# Altium PCB Brake Module B2 Sample.PcbDoc (part 2 of 2)
Units mm, origin at the board's own origin, x right, y up, seen from the top; angles counter-clockwise.
Board outline 81.55 x 86.36 mm, 4 copper layers (Top Layer, Int1 (PWR), Int2 (GND), Bottom Layer), stack 1.369 mm thick; 127 components, 92 nets, 480 pads, 346 vias.
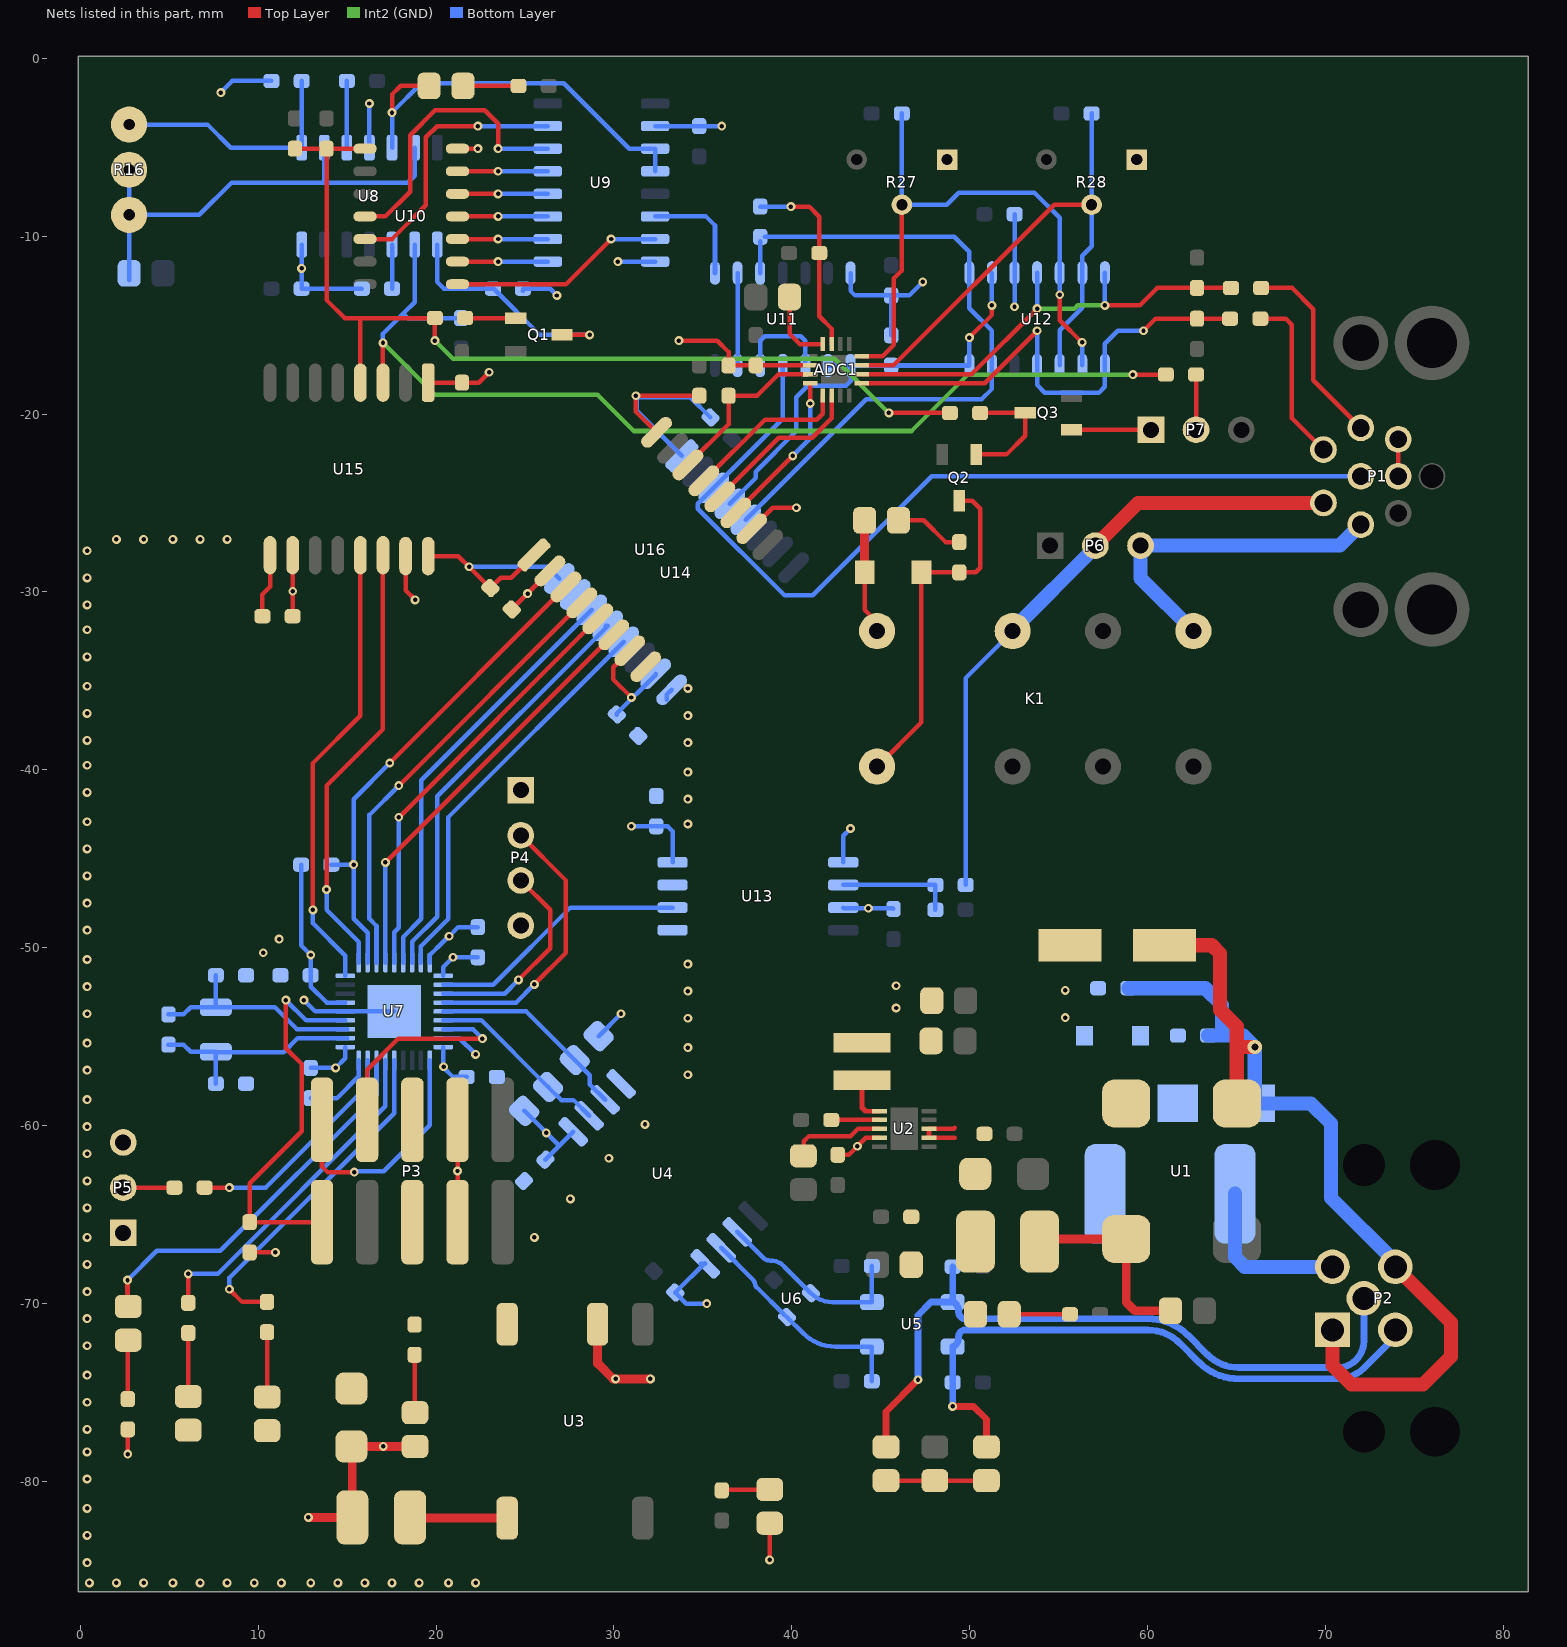
[diagram p4: the nets of this part, all layers, seen from the top]

## Via types
v1: diameter 0.5, hole 0.25, Top Layer to Bottom Layer, 345 vias
v2: diameter 0.8, hole 0.4, Top Layer to Bottom Layer, 1 vias

## Nets (pads, with @x,y where several pads share a name; then routed paths per layer and width w, separated by ;. In a path a pad name is that pad's centre, name@x,y a point inside that pad or via, vN(x,y) a via of type N, cw(c..) or ccw(c..) an arc to the next point about the centre after c; other vN are vias at no path point) (continued)
0V_(ISO): C14.1 C16.1 C22.1 C23.1 C24.1 C25.1 C26.1 C27.1 C43.1 C44.1 C46.1 C49.1 D7.K D8.K P3.5 P3.6 P4.1 P5.3 R3.1 U3.4 U4.4 U7.5 U7.18 U7.26 U7.36 U7.37 U13.5 U13.7 U14.9 U14.15 U15.9 U15.15 U16.2 U16.8 | length 25.5
  Top Layer w0.254: C44.1@10.238,-31.369 10.238,-30.148 10.668,-29.718 U15.9@10.668,-27.94 ; U15.15@18.288,-27.99 18.288,-29.913 v1(18.825,-30.45) ; C49.1@24.257,-30.988 24.257,-30.979 26.404,-28.832 U16.2@26.404,-28.823
  Bottom Layer w0.254: v1(12.573,-52.959) 13.208,-53.594 U7.5@14.903,-53.594 U7.37@17.653,-53.594 ; C23.1@12.954,-58.469 14.429,-58.469 15.653,-57.245 U7.36@15.653,-56.344 ; U7.18@19.653,-50.844 19.653,-50.423 20.052,-50.024 ; 20.07,-50.006 20.711,-49.365 v1(20.733,-49.365) ; U7.26@20.403,-55.094 21.312,-55.094 v1(22.225,-56.007) ; v1@20.701,-49.403 21.258,-48.846 C22.1@22.352,-48.846 ; U14.9@32.977,-36.074 32.977,-35.775 U14.9@33.25,-35.503
  other v1: 0.508,-85.725 2.032,-85.725 3.556,-85.725 5.207,-85.725 6.731,-85.725 8.255,-85.725 9.779,-85.725 11.303,-85.725 12.954,-85.725 14.478,-85.725 16.002,-85.725 17.526,-85.725 19.05,-85.725 20.701,-85.725 22.225,-85.725 0.381,-84.582 0.381,-83.058 0.381,-81.534 0.381,-79.883 0.381,-78.359 0.381,-77.089 0.381,-75.565 0.381,-74.041 0.381,-72.39 0.381,-70.866 0.381,-69.342 0.381,-67.818 0.381,-66.294 25.527,-66.294 0.381,-64.643 27.559,-64.135 0.381,-63.119 29.718,-61.849 0.381,-61.595 0.381,-60.071 31.75,-59.944 0.381,-58.547 34.163,-57.15 0.381,-56.896 34.163,-55.626 0.381,-55.372 34.163,-53.975 0.381,-53.721 34.163,-52.451 0.381,-52.197 34.163,-50.927 0.381,-50.673 10.287,-50.292 11.176,-49.53 0.381,-49.022 0.381,-47.498 0.381,-45.974 0.381,-44.45 34.163,-43.053 0.381,-42.926 34.163,-41.656 0.381,-41.275 34.163,-40.132 0.381,-39.751 34.163,-38.481 0.381,-38.354 34.163,-36.957 0.381,-36.83 34.163,-35.433 0.381,-35.306 0.381,-33.655 0.381,-32.131 0.381,-30.734 25.15,-30.095 0.381,-29.21 0.381,-27.686 2.032,-27.051 3.556,-27.051 5.207,-27.051 6.731,-27.051 8.255,-27.051
3V3: C14.2 C16.2 C22.2 C23.2 C24.2 C25.2 C43.2 C44.2 C46.2 C49.2 D5.A L3.1 P3.7 P3.8 P4.4 P5.1 R6.2 R9.2 R10.2 R11.2 R34.2 U4.1 U7.1 U7.6 U7.19 U7.27 U13.8 U14.10 U14.16 U15.10 U15.16 U16.1 U16.7 | length 70
  Top Layer w0.254: v1(2.667,-78.486) R6.2@2.667,-77.089 ; R11.2@9.525,-67.14 v1(10.965,-67.14) ; C44.2@11.938,-31.369 U15.10@11.938,-27.939 ; C14.2@15.242,-78.051 C14.2@15.24,-78.053 C14.2@15.292,-78.105 ; U15.16@19.558,-27.99 21.259,-27.99 v1(21.856,-28.587) C49.2@23.055,-29.786 23.631,-29.21 24.221,-29.21 U16.1@25.506,-27.925 ; P3.7@21.209,-65.44 v1(21.209,-62.565) P3.8@21.209,-59.69 ; U16.7@30.895,-33.313 29.972,-34.235 29.972,-34.925 v1(30.988,-35.941)
  Top Layer w0.5: v1(12.827,-82.042) L3.1@15.292,-82.042 C14.2@15.292,-78.105 ; C14.2@15.242,-78.051 v1(17.032,-78.051) D5.A@18.822,-78.051
  Bottom Layer w0.254: R34.2@12.417,-45.339 12.417,-49.882 v1(12.954,-50.419) 12.954,-52.197 13.851,-53.094 U7.6@14.903,-53.094 ; C23.2@12.954,-56.769 v1(14.351,-56.769) 14.903,-56.217 U7.1@14.903,-55.594 ; U7.27@20.403,-55.594 20.403,-56.725 20.955,-57.277 C25.2@21.717,-57.277 ; U7.19@20.403,-51.594 20.403,-51.098 v1(20.955,-50.546) C22.2@22.352,-50.546 ; v1(21.856,-28.587) 26.263,-28.587 U14.16@26.928,-29.252 ; R10.2@24.955,-59.182 24.972,-59.182 26.933,-61.142 ; C16.2@26.15,-61.925 26.933,-61.142 ; U4.1@27.716,-60.36 26.933,-61.142 ; R9.2@29.143,-54.982 v1(30.4,-53.725) ; C46.2@30.167,-36.898 30.167,-36.844 32.352,-34.658 U14.10@32.352,-34.604 ; v1(30.988,-43.18) C43.2@32.385,-43.18 33.02,-43.18 33.3,-43.46 U13.8@33.3,-45.212
  other v1: 26.2,-60.425 20.427,-56.701 11.942,-29.968
5kW: P1.8 U11.4 U14.3 | length 52.1
  Bottom Layer w0.254: U11.4@39.497,-17.272 39.497,-20.275 U14.3@35.621,-24.151 34.725,-25.047 34.725,-25.327 39.598,-30.2 41.175,-30.2 47.875,-23.5 P1.8@72,-23.5
5V: ADC1.7 ADC1.10 C10.2 C12.2 C13.2 C15.2 C28.2 C33.2 C34.2 C36.2 C37.2 C38.2 C42.2 C45.2 C47.2 C48.2 D4.A D10.A D11.K K1.16 L2.1 P1.4 P1.5 R15.2 R17.2 R18.2 R23.2 R24.2 R25.2 R27.1 R28.1 U2.4 U3.2 U4.8 U8.4 U8.14 U9.10 U9.16 U10.7 U11.14 U12.3 U13.1 U13.3 U14.1 U15.1 U16.10 U16.16 | length 103.2
  Top Layer w0.254: U15.1@19.558,-18.237 C45.2@21.463,-18.237 22.403,-18.237 v1(22.987,-17.653) ; U10.7@21.209,-5.08 v1(22.352,-5.08) ; U16.16@32.403,-21.028 31.242,-19.866 v1(31.242,-18.972) C48.2@34.798,-18.972 ; v1(33.655,-15.875) 35.814,-15.875 36.449,-16.51 R23.2@36.449,-17.272 36.453,-17.268 37.974,-17.268 C33.2@37.978,-17.264 ADC1.10@41.042,-17.264 ; U16.10@37.755,-26.452 38.934,-25.273 v1(40.259,-25.273) ; v1(38.761,-84.429) D4.A@38.761,-82.369 ; v1(39.956,-8.333) 40.983,-8.333 41.55,-8.9 C34.2@41.55,-10.95 41.55,-14.5 42.242,-15.192 ADC1.7@42.242,-16.064 ; C10.2@42.587,-61.651 42.59,-61.648 43.219,-61.648 44.17,-60.697 U2.4@44.928,-60.697 ; D11.K@44.1,-28.9 44.1,-31.019 44.805,-31.724 K1.16@44.805,-32.205 ; P1.5@74.1,-23.5 P1.4@74.1,-21.42
  Top Layer w0.5: U3.2@29.083,-71.181 29.083,-73.383 29.95,-74.25 v1(32.05,-74.25) ; D11.K@44.1,-28.9 D10.A@44.1,-25.979
  Bottom Layer w0.254: v1(7.9,-1.925) 8.555,-1.27 R15.2@10.746,-1.27 ; U8.14@12.446,-10.472 v1(12.446,-11.811) C28.2@12.446,-12.954 R17.2@15.826,-12.954 ; U8.4@16.256,-5.022 v1(16.256,-2.54) ; R18.2@24.882,-13.081 R18.2@24.892,-13.081 ; R18.2@24.892,-12.954 26.416,-12.954 v1(26.797,-13.335) ; v1(30.226,-11.43) U9.16@32.319,-11.43 ; U9.10@32.319,-3.81 C36.2@34.798,-3.81 v1(36.068,-3.81) ; U14.1@33.825,-22.355 31.278,-19.808 31.278,-19.086 31.242,-19.05 34.29,-19.05 C47.2@35.433,-20.193 ; U4.8@34.882,-67.768 35.124,-67.768 U4.8@35.14,-67.784 ; U4.8@35.107,-67.743 C15.2@33.45,-69.4 34.075,-70.025 v1(35.225,-70.025) ; R25.2@38.227,-8.333 v1(39.956,-8.333) ; U13.3@42.9,-47.752 42.939,-47.791 v1(44.31,-47.791) 45.681,-47.791 C42.2@45.72,-47.83 ; U13.1@42.9,-45.212 42.9,-43.714 v1(43.307,-43.307) ; U11.14@43.307,-12.072 43.307,-13.081 43.561,-13.335 C38.2@45.593,-13.335 ; R24.2@45.593,-15.572 C38.2@45.593,-13.335 ; v1(47.371,-12.573) 46.609,-13.335 C38.2@45.593,-13.335 ; v1(52.529,-13.971) U12.3@52.529,-12.065 C37.2@52.529,-8.763
  other v1: 30.1,-74.25 43.695,-61.173 45.875,-53.4 45.875,-52.15
BOOT0: P5.2 R12.1 | length 2.9
  Top Layer w0.254: P5.2@2.413,-63.5 R12.1@5.285,-63.5
"BPSD LATCH": R20.2 R31.1 U8.9 U15.3 | length 59.2
  Top Layer w0.254: U15.3@17.018,-18.237 v1(17.018,-16.002) ; v1(59.182,-17.78) R31.1@61.038,-17.78
  Int2 (GND) w0.254: v1(17.018,-16.002) 19.939,-18.923 29.083,-18.923 31.115,-20.955 46.736,-20.955 49.911,-17.78 v1(59.182,-17.78)
  Bottom Layer w0.254: v1(17.018,-16.002) 17.018,-15.494 18.161,-14.351 ; U8.9@18.796,-10.472 18.796,-13.716 18.161,-14.351 ; R20.2@21.414,-14.605 18.415,-14.605 18.161,-14.351
"BRAKE SIG 1": P1.3 R14.1 | length 11.2
  Top Layer w0.254: R14.1@66.399,-12.912 68.137,-12.912 69.325,-14.1 69.325,-18.105 P1.3@72,-20.78
"BRAKE SIG 2": P1.2 R19.1 | length 9.7
  Top Layer w0.254: R19.1@66.35,-14.641 67.791,-14.641 68.125,-14.975 68.125,-20.225 P1.2@69.9,-22
"Brake Signal 1": ADC1.2 C29.2 R14.2 U12.4 U12.7 | length 26.6
  Top Layer w0.254: ADC1.2@43.942,-17.764 50.111,-17.764 v1(53.8,-14.075) ; v1(57.609,-13.892) 59.583,-13.892 60.563,-12.912 C29.2@62.794,-12.912 R14.2@64.699,-12.912
  Int2 (GND) w0.254: v1(53.8,-14.075) 55.9,-14.075 56.083,-13.892 v1(57.609,-13.892)
  Bottom Layer w0.254: v1(53.8,-14.075) U12.4@53.799,-12.065 ; v1(57.609,-13.892) U12.7@57.609,-12.065
"Brake Signal 2": ADC1.1 C32.2 R19.2 U12.8 U12.11 | length 28.3
  Top Layer w0.254: ADC1.1@43.942,-18.264 50.853,-18.264 v1(53.799,-15.318) ; v1(59.782,-15.318) 60.459,-14.641 R19.2@64.65,-14.641
  Bottom Layer w0.254: v1(53.799,-15.318) U12.11@53.799,-17.265 53.799,-18.366 54.229,-18.796 57.277,-18.796 57.609,-18.464 U12.8@57.609,-17.265 57.609,-16.041 58.332,-15.318 v1(59.782,-15.318)
"BSPD OK": C39.2 R22.1 R26.2 R30.1 U10.8 U15.4 | length 54.6
  Top Layer w0.254: C39.2@11.938,-5.08 C39.2@12.065,-5.08 R26.2@13.843,-5.08 ; U15.4@15.748,-18.237 15.748,-14.605 ; U10.8@16.009,-5.08 R26.2@13.843,-5.08 ; v1(19.939,-15.875) R22.1@19.939,-14.605 15.748,-14.605 ; v1(45.466,-19.939) R30.1@48.895,-19.939 ; R26.2@13.843,-5.08 13.843,-13.589 14.859,-14.605 15.748,-14.605
  Int2 (GND) w0.254: v1(19.939,-15.875) 20.955,-16.891 42.418,-16.891 v1(45.466,-19.939)
CAN1_N: C17.2 P2.5 R5.1 U5.2 | length 40.2
  Top Layer w0.381: R5.1@45.3,-78.075 45.3,-76.1 v1(47.1,-74.3)
  Bottom Layer w0.381: v1(47.1,-74.3) 47.1,-70.675 47.837,-69.938 U5.2@49.052,-69.938 ; C17.2@49.052,-67.95 U5.2@49.052,-69.938 ; P2.5@72.175,-69.725 72.175,-72.115 cw(c70.643,-72.115) 71.726,-73.199 cw(c70.721,-72.194) 70.721,-73.615 65.142,-73.615 cw(c65.142,-71.075) 63.346,-72.871 62.273,-71.798 ccw(c60.033,-74.038) 60.033,-70.87 49.763,-70.87 cw(c49.763,-70.489) 49.494,-70.759 cw(c49.763,-70.489) 49.382,-70.489 49.382,-70.421 ccw(c48.836,-70.421) 49.222,-70.035 49.177,-69.99 ccw(c49.052,-70.115) U5.2@49.052,-69.938
CAN1_P: C18.2 P2.4 R4.2 U5.1 | length 35.5
  Top Layer w0.381: v1(49.052,-75.8) 50.225,-75.8 50.95,-76.525 R4.2@50.95,-78.075
  Bottom Layer w0.381: v1(49.052,-75.8) C18.2@49.052,-74.45 U5.1@49.052,-72.438 ccw(c49.052,-72.261) 49.177,-72.386 49.222,-72.341 ccw(c48.836,-71.955) 49.382,-71.955 49.382,-71.886 cw(c49.763,-71.886) 49.494,-71.617 cw(c49.763,-71.886) 49.763,-71.505 60.03,-71.505 cw(c60.03,-74.045) 61.826,-72.249 62.898,-73.321 ccw(c65.14,-71.078) 65.14,-74.25 70.725,-74.25 ccw(c70.725,-72.202) 72.173,-73.65 73.674,-72.149 ccw(c73.02,-71.495) P2.4@73.945,-71.495 cw(c73.22,-70.77) P2.4@73.22,-71.795
CAN_RX_INDC: R8.2 U7.33 | length 19.2
  Top Layer w0.254: R8.2@6.07,-69.977 v1(6.07,-68.352)
  Bottom Layer w0.254: v1(6.07,-68.352) 7.721,-68.352 17.153,-58.92 U7.33@17.153,-56.344
CAN_TX_INDC: R7.2 U7.32 | length 19.1
  Top Layer w0.254: v1(8.382,-69.215) 9.095,-69.928 R7.2@10.502,-69.928
  Bottom Layer w0.254: v1(8.382,-69.215) 8.382,-68.58 17.653,-59.309 U7.32@17.653,-56.344
CLOCK: D9.A U8.5 U9.11 U9.12 | length 23.5
  Top Layer w0.254: v1(17.526,-3.048) 17.526,-2.032 18.008,-1.55 D9.A@19.612,-1.55
  Bottom Layer w0.254: U8.5@17.526,-5.022 v1(17.526,-3.048) 19.177,-1.397 27.178,-1.397 30.861,-5.08 U9.11@32.319,-5.08 U9.12@32.319,-6.35
"CS (ADC)": ADC1.11 R23.1 U16.14 | length 9.9
  Top Layer w0.254: U16.14@34.163,-22.86 36.449,-20.574 R23.1@36.449,-18.972 38.051,-18.972 39.259,-17.764 ADC1.11@41.042,-17.764
GL_IN: K1.13 P1.1 P6.2 R32.2 | length 35.9
  Top Layer w0.8: P6.2@57.075,-27.4 59.475,-25 P1.1@69.9,-25
  Bottom Layer w0.254: R32.2@49.784,-46.482 49.784,-34.846 K1.13@52.425,-32.205 K1.13@52.425,-32.127 ; P6.2@57.075,-27.478 P6.2@57.075,-27.4
  Bottom Layer w0.8: K1.13@52.425,-32.127 P6.2@57.075,-27.478
GL_IN_OK: U7.20 U13.6 | length 14.7
  Bottom Layer w0.254: U7.20@20.403,-52.094 23.217,-52.094 27.559,-47.752 U13.6@33.3,-47.752
GL_OUT: K1.9 P1.7 P6.3 | length 18.9
  Bottom Layer w0.8: K1.9@62.585,-32.205 59.615,-29.235 P6.3@59.615,-27.4 70.82,-27.4 P1.7@72,-26.22
GLV+: F1.1 P2.2 | length 9.3
  Bottom Layer w0.8: F1.1@64.925,-63.85 64.925,-67.4 65.48,-67.955 P2.2@70.405,-67.955
GLV-: C4.1 C5.1 C6.1 D3.K P2.1 P2.3 U1.4 | length 56.9
  Top Layer w0.8: C6.1@60.952,-49.872 63.618,-49.872 64.087,-50.341 64.087,-53.498 65.03,-54.441 U1.4@65.03,-58.762 ; 65.131,-55.587 66.036,-55.587 v2(66.042,-55.593) ; P2.1@70.405,-71.495 70.405,-73.505 71.475,-74.575 75.5,-74.575 77.075,-73 77.075,-71.085 P2.3@73.945,-67.955
  Bottom Layer w0.8: C5.1@58.935,-52.285 63.255,-52.285 64.193,-53.223 64.193,-54.952 ; C4.1@63.418,-54.952 65.401,-54.952 v2@66.036,-55.587 ; v2(66.042,-55.593) D3.K@66.042,-58.762 69.187,-58.762 70.325,-59.9 70.325,-64.075 73.945,-67.695 P2.3@73.945,-67.955
"H REF 1": ADC1.4 C40.2 R27.2 U12.5 U12.9 | length 33.8
  Top Layer w0.254: ADC1.4@43.942,-16.764 45.085,-16.764 45.75,-16.099 45.75,-12.375 46.194,-11.931 R27.2@46.194,-8.232 ; v1(55.069,-13.294) 55.069,-14.719 v1(56.325,-15.975)
  Bottom Layer w0.254: C40.2@46.194,-3.1 R27.2@46.194,-8.232 48.718,-8.232 49.4,-7.55 53.65,-7.55 55.069,-8.969 U12.5@55.069,-12.065 v1(55.069,-13.294) ; v1(56.325,-15.975) 56.332,-15.982 56.332,-17.258 U12.9@56.339,-17.265
HB: D6.K U7.34 | length 21.8
  Top Layer w0.254: v1(2.652,-68.7) 2.652,-70.141 D6.K@2.693,-70.182
  Bottom Layer w0.254: v1(2.652,-68.7) 4.296,-67.056 7.874,-67.056 16.653,-58.277 U7.34@16.653,-56.344
"L REF": ADC1.3 C41.2 R28.2 U12.6 U12.10 | length 31.6
  Top Layer w0.254: ADC1.3@43.942,-17.264 45.728,-17.264 54.76,-8.232 R28.2@56.862,-8.232
  Bottom Layer w0.254: U12.10@55.069,-17.265 55.069,-15.289 56.339,-14.019 U12.6@56.339,-12.065 56.339,-11.098 56.862,-10.575 R28.2@56.862,-8.232 C41.2@56.862,-3.1
NetADC1_8: ADC1.8 C35.2 | length 4.2
  Top Layer w0.254: C35.2@39.878,-13.423 39.878,-15.494 40.448,-16.064 ADC1.8@41.742,-16.064
NetADC1_12: ADC1.12 U16.11 | length 9
  Top Layer w0.254: U16.11@36.857,-25.554 v1(40.059,-22.352) ; v1(41.042,-19.41) ADC1.12@41.042,-18.264
  Bottom Layer w0.254: v1(40.059,-22.352) 41.042,-21.369 v1(41.042,-19.41)
NetADC1_13: ADC1.13 U16.13 | length 9.3
  Top Layer w0.254: U16.13@35.061,-23.758 38.499,-20.32 41.402,-20.32 41.742,-19.98 ADC1.13@41.742,-18.964
NetADC1_14: ADC1.14 U16.12 | length 9.4
  Top Layer w0.254: U16.12@35.959,-24.656 39.279,-21.336 41.148,-21.336 42.242,-20.242 ADC1.14@42.242,-18.964
NetC1_2: C1.2 L1.2 U1.2 | length 11.2
  Top Layer w0.254: L1.2@53.934,-66.532 L1.2@54.084,-66.382
  Top Layer w0.5: L1.2@54.084,-66.382 U1.2@58.81,-66.382 58.81,-69.938 59.292,-70.42 C1.2@61.301,-70.42
NetC4_2: C4.2 D1.A D3.A F1.2
NetC9_2: C9.2 U2.3 | length 5.4
  Top Layer w0.254: C9.2@40.659,-61.712 40.675,-61.696 40.675,-60.9 40.975,-60.6 43.325,-60.6 43.73,-60.195 U2.3@44.93,-60.195
NetC11_2: C11.2 U2.2 | length 2.7
  Top Layer w0.254: C11.2@42.225,-59.695 U2.2@44.93,-59.695
NetC19_2: C19.2 U4.6 U5.3 U6.1 | length 11.1
  Bottom Layer w0.254: U4.6@36.936,-65.988 38.37,-67.422 ccw(c38.8,-66.992) 38.8,-67.6 cw(c38.8,-68.671) 39.557,-67.914 U6.1@41.079,-69.435 ccw(c42.292,-68.222) 42.292,-69.938 U5.3@44.502,-69.938 C19.2@44.502,-67.906
NetC20_2: C20.2 U4.7 U5.4 U6.2 | length 12.7
  Bottom Layer w0.254: U4.7@36.038,-66.886 37.79,-68.638 cw(c37.402,-69.025) 37.944,-68.947 ; 37.945,-68.948 ccw(c38.196,-68.91) 38.016,-69.09 39.543,-70.617 U6.2@39.735,-70.779 40.651,-71.694 ccw(c42.447,-69.898) 42.447,-72.438 U5.4@44.502,-72.438 C20.2@44.502,-74.383
NetC21_2: C21.2 R4.1 R5.2 | length 5.7
  Top Layer w0.254: R5.2@45.3,-79.975 C21.2@48.05,-79.975 R4.1@50.95,-79.975
NetC26_2: C26.2 R13.1 U7.2 X1.1 | length 12.3
  Bottom Layer w0.254: R13.1@4.953,-55.46 5.803,-55.46 6.203,-55.86 X1.1@7.62,-55.86 ; C26.2@7.62,-57.658 X1.1@7.62,-55.86 ; U7.2@14.999,-55.098 12.212,-55.098 11.43,-55.88 7.64,-55.88 X1.1@7.62,-55.86
NetC27_2: C27.2 R13.2 U7.3 X1.2 | length 12.5
  Bottom Layer w0.254: R13.2@4.953,-53.76 5.803,-53.76 6.203,-53.36 X1.2@7.62,-53.36 ; C27.2@7.62,-51.562 X1.2@7.62,-53.36 ; U7.3@14.999,-54.598 12.18,-54.598 10.942,-53.36 X1.2@7.62,-53.36
NetC31_2: C31.2 U8.3 | length 3.8
  Bottom Layer w0.254: U8.3@14.986,-5.022 C31.2@14.986,-1.27
NetD2_K: D2.K R1.2 | length 3.4
  Top Layer w0.254: D2.K@52.234,-70.622 R1.2@55.641,-70.622
NetD4_K: D4.K R2.2 | length 2.6
  Top Layer w0.254: R2.2@36.092,-80.494 D4.K@38.737,-80.494
NetD5_K: D5.K R3.2 | length 3.3
  Top Layer w0.254: R3.2@18.796,-72.898 18.796,-76.125 D5.K@18.822,-76.151
NetD6_A: D6.A R6.1 | length 3.3
  Top Layer w0.254: R6.1@2.667,-75.389 D6.A@2.667,-72.108
NetD7_A: D7.A R7.1 | length 3.6
  Top Layer w0.254: D7.A@10.502,-75.266 R7.1@10.502,-71.628
NetD8_A: D8.A R8.1 | length 3.6
  Top Layer w0.254: D8.A@6.07,-75.238 R8.1@6.07,-71.677
NetD9_K: D9.K R21.2 | length 3.1
  Top Layer w0.254: D9.K@21.512,-1.55 R21.2@24.638,-1.55
NetD10_K: D10.K R29.2 | length 3.9
  Top Layer w0.254: D10.K@46,-25.979 47.429,-25.979 48.65,-27.2 R29.2@49.425,-27.2
NetD11_A: D11.A K1.1 Q2.D R29.1 | length 20
  Top Layer w0.254: K1.1@44.805,-39.825 47.296,-37.334 D11.A@47.296,-28.9 ; D11.A@47.3,-28.9 R29.1@49.425,-28.9 50.35,-28.9 50.6,-28.65 50.6,-25.325 50.15,-24.875 Q2.D@49.425,-24.875
NetL2_2: L2.2 U2.1 | length 2.6
  Top Layer w0.254: 44.145,-59.195 U2.1@44.93,-59.195
  Top Layer w0.3: L2.2@43.95,-57.45 43.95,-59 44.145,-59.195
NetL3_2: L3.2 U3.5 | length 5.5
  Top Layer w0.254: L3.2@18.542,-82.042 L3.2@18.581,-82.081
  Top Layer w0.5: L3.2@18.581,-82.081 U3.5@24.003,-82.081
NetP7_1: P7.1 Q3.G | length 4.5
  Top Layer w0.254: Q3.G@55.729,-20.889 P7.1@60.198,-20.889
NetP7_2: P7.2 R31.2 | length 3.1
  Top Layer w0.254: P7.2@62.738,-20.889 R31.2@62.738,-17.78
NetQ1_D: Q1.D R18.1 U8.8 | length 13.5
  Top Layer w0.254: Q1.D@27.081,-15.555 v1(28.641,-15.555)
  Bottom Layer w0.254: U8.8@20.066,-10.472 20.066,-12.573 20.447,-12.954 R18.1@23.192,-12.954 23.242,-12.954 25.843,-15.555 v1(28.641,-15.555)
NetQ1_G: Q1.G R22.2 | length 2.8
  Top Layer w0.254: R22.2@21.639,-14.605 Q1.G@24.481,-14.605
NetQ2_G: Q2.G Q3.D R30.2 | length 7
  Top Layer w0.254: Q2.G@50.375,-22.275 52.075,-22.275 53.129,-21.221 Q3.D@53.129,-19.939 R30.2@50.595,-19.939
NetR9_1: R9.1 U4.3 U7.23 | length 11.5
  Bottom Layer w0.254: U7.23@20.403,-53.594 25.069,-53.594 R9.1@27.8,-56.325 28.65,-57.175 28.65,-57.702 U4.3@29.512,-58.564
NetR10_1: R10.1 U4.2 U7.24 | length 10.4
  Bottom Layer w0.254: U7.24@20.403,-54.094 22.554,-54.094 R10.1@26.299,-57.838 27.035,-58.575 27.727,-58.575 U4.2@28.614,-59.462
NetR12_2: R12.2 U7.35 | length 13
  Top Layer w0.254: R12.2@6.985,-63.5 v1(8.382,-63.5)
  Bottom Layer w0.254: v1(8.382,-63.5) 10.414,-63.5 16.153,-57.761 U7.35@16.153,-56.344
NetR15_1: R15.1 R16.1 U8.1 | length 14
  Bottom Layer w0.254: R16.1@2.743,-3.724 7.153,-3.724 8.451,-5.022 U8.1@12.446,-5.022 R15.1@12.446,-1.27
NetR17_1: R17.1 U8.10 | length 2.5
  Bottom Layer w0.254: R17.1@17.526,-12.954 U8.10@17.526,-10.472
NetR24_1: R24.1 U11.1 U11.2 U12.2 U12.14 U14.4 | length 25.5
  Top Layer w0.254: v1(49.989,-15.699) 51.259,-14.429 v1(51.259,-13.892)
  Bottom Layer w0.254: U14.4@36.519,-25.049 37.973,-23.595 37.973,-23.241 40.259,-20.955 40.259,-19.05 40.894,-18.415 43.053,-18.415 43.307,-18.161 U11.1@43.307,-17.272 ; U11.2@42.037,-17.272 U11.1@43.307,-17.272 ; v1(49.989,-15.699) U12.14@49.989,-17.265 49.982,-17.272 R24.1@45.593,-17.272 U11.1@43.307,-17.272 ; v1(51.259,-13.892) U12.2@51.259,-12.065
NetR25_1: R25.1 U11.10 U12.1 U12.13 U14.5 | length 38.8
  Bottom Layer w0.254: U14.5@37.417,-25.947 44.187,-19.177 50.673,-19.177 51.259,-18.591 U12.13@51.259,-17.265 51.259,-15.318 49.989,-14.048 U12.1@49.989,-12.065 49.989,-10.873 49.149,-10.033 R25.1@38.481,-10.033 ; U11.10@38.227,-12.072 R25.1@38.227,-10.287
NetR32_1: R32.1 R33.1 U13.2 | length 6.6
  Bottom Layer w0.254: U13.2@42.9,-46.482 R32.1@48.084,-46.482 R33.1@48.084,-47.879
NetR34_1: R34.1 U7.11 U16.3 | length 27.6
  Top Layer w0.254: v1(17.399,-39.624) U16.3@27.302,-29.721
  Bottom Layer w0.254: R34.1@14.117,-45.339 v1(15.367,-45.339) ; U7.11@16.153,-50.844 16.153,-49.173 15.367,-48.387 v1(15.367,-45.339) ; v1(17.399,-39.624) 15.367,-41.656 v1(15.367,-45.339)
NetU7_9: U7.9 U15.13 | length 25.5
  Top Layer w0.254: v1(13.081,-47.879) 13.081,-39.624 15.748,-36.957 U15.13@15.748,-27.939
  Bottom Layer w0.254: v1(13.081,-47.879) 13.081,-48.641 14.903,-50.463 U7.9@14.903,-51.594
NetU7_10: U7.10 U15.14 | length 25
  Top Layer w0.254: v1(13.843,-46.736) 13.843,-40.894 17.018,-37.719 U15.14@17.018,-27.939
  Bottom Layer w0.254: v1(13.843,-46.736) 13.843,-47.879 15.653,-49.689 U7.10@15.653,-50.844
NetU7_12: U7.12 U16.4 | length 25.3
  Top Layer w0.254: v1(17.907,-40.894) 17.916,-40.894 28.191,-30.619 U16.4@28.2,-30.619
  Bottom Layer w0.254: U7.12@16.653,-50.844 16.653,-48.784 16.256,-48.387 16.256,-42.545 v1(17.907,-40.894)
NetU7_13: U7.13 U16.6 | length 23.8
  Top Layer w0.254: v1(17.153,-45.212) 17.176,-45.212 29.973,-32.415 U16.6@29.997,-32.415
  Bottom Layer w0.254: U7.13@17.153,-50.844 v1(17.153,-45.212)
NetU7_14: U7.14 U16.5 | length 24.1
  Top Layer w0.254: v1(17.907,-42.672) 17.925,-42.672 29.08,-31.517 U16.5@29.098,-31.517
  Bottom Layer w0.254: U7.14@17.653,-50.844 17.653,-49.149 17.907,-48.895 v1(17.907,-42.672)
NetU7_15: U7.15 U14.14 | length 24.2
  Bottom Layer w0.254: U7.15@18.153,-50.844 18.153,-49.411 19.177,-48.387 19.177,-40.595 U14.14@28.76,-31.012
NetU7_16: U7.16 U14.13 | length 23.6
  Bottom Layer w0.254: U7.16@18.653,-50.844 18.653,-49.673 20.066,-48.26 20.066,-41.502 29.558,-32.01 29.558,-31.91 U14.13@29.658,-31.91
NetU7_17: U7.17 U14.12 | length 22.8
  Bottom Layer w0.254: U7.17@19.153,-50.844 U7.17@19.153,-50.844 19.155,-49.933 20.701,-48.387 20.701,-42.663 U14.12@30.556,-32.808
NetU9_1: U9.1 U10.2 | length 5.1
  Top Layer w0.254: U10.2@21.209,-11.43 v1(23.495,-11.43)
  Bottom Layer w0.254: v1(23.495,-11.43) U9.1@26.289,-11.43
NetU9_2: U9.2 U10.3 | length 5.1
  Top Layer w0.254: U10.3@21.209,-10.16 v1(23.495,-10.16)
  Bottom Layer w0.254: v1(23.495,-10.16) U9.2@26.289,-10.16
NetU9_3: U9.3 U10.4 | length 5.1
  Top Layer w0.254: U10.4@21.209,-8.89 v1(23.495,-8.89)
  Bottom Layer w0.254: v1(23.495,-8.89) U9.3@26.289,-8.89
NetU9_4: U9.4 U10.5 | length 5.1
  Top Layer w0.254: U10.5@21.209,-7.62 v1(23.495,-7.62)
  Bottom Layer w0.254: v1(23.495,-7.62) U9.4@26.289,-7.62
NetU9_5: U9.5 U10.6 | length 5.1
  Top Layer w0.254: U10.6@21.209,-6.35 v1(23.495,-6.35)
  Bottom Layer w0.254: v1(23.495,-6.35) U9.5@26.289,-6.35
NetU9_6: U9.6 U10.11 | length 16.3
  Top Layer w0.254: U10.11@16.009,-8.89 17.145,-8.89 18.542,-7.493 18.542,-4.318 19.939,-2.921 22.733,-2.921 23.495,-3.683 v1(23.495,-5.08)
  Bottom Layer w0.254: v1(23.495,-5.08) U9.6@26.289,-5.08
NetU9_7: U9.7 U10.12 | length 15.1
  Top Layer w0.254: U10.12@16.009,-10.16 17.526,-10.16 19.431,-8.255 19.431,-4.445 20.066,-3.81 v1(22.352,-3.81)
  Bottom Layer w0.254: v1(22.352,-3.81) U9.7@26.289,-3.81
NetU9_14: U9.14 U11.8 | length 6.3
  Bottom Layer w0.254: U9.14@32.319,-8.89 35.179,-8.89 35.687,-9.398 U11.8@35.687,-12.072
NetU9_15: U9.15 U10.1 | length 12.2
  Top Layer w0.254: U10.1@21.209,-12.7 27.305,-12.7 v1(29.845,-10.16)
  Bottom Layer w0.254: v1(29.845,-10.16) U9.15@32.319,-10.16
NetU11_3: U11.3 U11.5 | length 5.5
  Bottom Layer w0.254: U11.5@38.227,-17.272 38.227,-15.875 38.481,-15.621 40.513,-15.621 40.767,-15.875 U11.3@40.767,-17.272
NetU11_6: U11.6 U11.9 | length 5.2
  Bottom Layer w0.254: U11.6@36.957,-17.272 U11.9@36.957,-12.072
NRST: P3.1 R11.1 U7.4 | length 21.9
  Top Layer w0.254: v1(11.557,-52.959) 11.557,-55.659 12.446,-56.548 12.446,-60.325 9.525,-63.246 R11.1@9.525,-65.44 P3.1@13.589,-65.44
  Bottom Layer w0.254: v1(11.557,-52.959) 12.692,-54.094 U7.4@14.903,-54.094
SWCLK: P3.2 U7.28 | length 13.6
  Top Layer w0.254: P3.2@13.589,-59.69 13.589,-62.314 13.9,-62.625 v1(15.4,-62.625)
  Bottom Layer w0.254: v1(15.4,-62.625) 15.443,-62.582 17.068,-62.582 19.653,-59.997 U7.28@19.653,-56.344
SWDIO: P3.4 U7.25 | length 12.4
  Top Layer w0.254: P3.4@16.129,-59.69 16.129,-56.871 17.882,-55.118 v1(22.606,-55.118)
  Bottom Layer w0.254: U7.25@20.403,-54.594 22.082,-54.594 v1(22.606,-55.118)
Trig/Thres: C30.2 R16.2 R16.3 U8.2 U8.6 | length 26.7
  Bottom Layer w0.254: R16.2@2.743,-6.264 R16.3@2.743,-8.804 ; C30.2@2.745,-12.472 2.744,-12.471 R16.3@2.743,-8.804 R16.3@2.743,-8.804 ; U8.2@13.716,-5.022 13.716,-6.985 ; U8.6@18.796,-5.022 18.796,-6.604 18.415,-6.985 13.716,-6.985 ; R16.3@2.743,-8.804 6.69,-8.804 8.509,-6.985 13.716,-6.985
UART_RX: P4.2 U7.22 | length 15.7
  Top Layer w0.254: P4.2@24.765,-43.688 27.305,-46.228 27.305,-50.292 v1(25.527,-52.07)
  Bottom Layer w0.254: U7.22@20.403,-53.094 24.503,-53.094 v1(25.527,-52.07)
UART_TX: P4.3 U7.21 | length 11.6
  Top Layer w0.254: v1(24.638,-51.816) 26.416,-50.038 26.416,-47.879 P4.3@24.765,-46.228
  Bottom Layer w0.254: U7.21@20.403,-52.594 23.86,-52.594 v1(24.638,-51.816)
VBAT_D: C5.2 C6.2 D1.K U1.1
  other v1: 55.381,-53.936 55.381,-52.412
VBAT_F: C2.2 C3.2 C7.2 C8.2 D2.A L1.1 U2.7 U2.8 | length 3.4
  Top Layer w0.254: 49.175,-60.7 49.17,-60.695 U2.7@47.72,-60.695 U2.8@47.72,-60.195 49.105,-60.195 49.175,-60.125
pads on no net: ADC1.5 ADC1.6 ADC1.15 ADC1.16 K1.4 K1.6 K1.8 K1.11 P1.MH1 P1.MH2 P1.MH3 P1.MH4 P1.MH5 P2.6 P2.7 P2.8 P2.9 P3.3 P3.9 P3.10 P6.1 P7.3 U2.6 U3.8 U7.7 U7.8 U7.29 U7.30 U7.31 U8.11 U8.13 U9.9 U10.9 U10.10 U10.13 U11.11 U11.12 U11.13 U14.6 U14.7 U14.11 U15.5 U15.6 U15.7 U15.11 U15.12

## Polygon pours and split planes (outlines as drawn)
0V on Top Layer "0V TOP" (solid, remove dead copper, pour order 18): 30.607,-86.233 30.607,-81.28 28.321,-78.994 28.321,-69.85 41.402,-56.769 41.402,-33.528 27.432,-19.558 0,-19.558 0,0 73.787,0 81.425,0 81.425,-26.9 81.425,-56.769 81.425,-86.233
0V_(ISO) on Top Layer "5V_TOP_1" (solid, remove dead copper, pour order 17): 24.892,-86.106 24.892,-67.691 34.671,-57.912 34.671,-34.925 26.289,-26.543 0,-26.543 0,-86.106
VBAT_D on Top Layer "5V_TOP_1" (solid, pour order 15): 53.222,-51.269 54.619,-52.666 54.619,-55.968 56.778,-58.127 56.778,-59.778 57.286,-60.286 60.08,-60.286 60.334,-60.032 60.334,-56.73 59.953,-56.349 57.667,-56.349 56.143,-54.825 56.143,-51.523 56.143,-47.84 53.222,-47.84
5V on Top Layer "5V_TOP_1" (solid, pour order 8): 48.475,-56.15 42.125,-56.15 42.125,-52.05 42.875,-51.3 48.475,-51.3
VBAT_F on Top Layer "5V_TOP_1" (solid, pour order 13): 47.275,-58.675 47.275,-63.771 46.165,-64.881 46.165,-69.58 48.07,-71.485 50.737,-71.485 50.991,-71.231 50.991,-68.564 51.499,-68.056 51.499,-58.675
0V on Bottom Layer "0V TOP" (solid, remove dead copper, pour order 21): 30.607,-86.233 30.607,-81.28 28.321,-78.994 28.321,-69.85 41.402,-56.769 41.402,-33.528 27.432,-19.558 0,-19.558 0,0 73.787,0 81.425,0 81.425,-26.9 81.425,-56.769 81.425,-86.233
0V_(ISO) on Bottom Layer "0V ISO BOT" (solid, remove dead copper, pour order 5): 24.892,-86.106 24.892,-67.691 34.671,-57.912 34.671,-34.925 26.289,-26.543 0,-26.543 0,-86.106
NetC4_2 on Bottom Layer "5V_TOP_1" (solid, pour order 19): 59.05,-54.425 59.15,-54.325 62.1,-54.325 62.175,-54.4 62.175,-56.875 62.9,-57.6 62.9,-60 62.8,-60.1 59.475,-60.1 58.925,-60.65 58.925,-66.625 58.775,-66.775 56.5,-66.775 56.35,-66.625 56.35,-61.05 59.05,-58.35 59.05,-54.475
VBAT_D on Bottom Layer "5V_TOP_1" (solid, pour order 3): 57.794,-51.65 57.286,-51.142 54.873,-51.142 54.365,-51.65 54.365,-56.222 54.873,-56.73 57.159,-56.73 57.794,-56.095
0V_(ISO) on Int2 (GND) "0V ISO" (solid, pour order 1): 24.892,-86.106 24.892,-67.691 34.671,-57.912 34.671,-34.925 26.289,-26.543 0,-26.543 0,-86.106
0V on Int2 (GND) "0V TOP" (solid, pour order 23): 30.607,-86.233 30.607,-81.28 28.321,-78.994 28.321,-69.85 41.402,-56.769 41.402,-33.528 27.432,-19.558 0,-19.558 0,0 73.787,0 81.425,0 81.425,-26.9 81.425,-56.769 81.425,-86.233
3V3 on Int1 (PWR) "3V3 PLANE" (solid, pour order 2): 23.35,-84.725 23.35,-66.625 33.2,-56.775 33.2,-34.95 26.175,-27.925 1.45,-27.925 1.45,-84.725
5V on Int1 (PWR) "0V TOP" (solid, pour order 22): 31.325,-84.65 31.325,-80.175 29.725,-78.575 29.725,-70.6 42.8,-57.525 42.8,-32.925 28,-18.125 1.275,-18.125 1.275,-1.525 79.55,-1.525 79.55,-84.65

## Other copper
Bottom Layer:
  pour cut-out: 10.541,-49.784 4.699,-49.784 3.302,-51.181 3.302,-56.896 5.461,-59.055 11.43,-59.055 11.43,-59.436 5.334,-59.436 2.921,-57.023 2.921,-50.927 4.445,-49.403 10.541,-49.403
  pour cut-out: 11.43,-59.055 11.43,-56.613 10.951,-56.613 10.922,-56.642 10.922,-59.055

## Silkscreen, mask and mechanical layers (free items; w line width, h text height)
Top Overlay:
  drawing of 32 lines, arcs and shapes, not listed
  text "Low Ref" at 53.814,-1.882 h1
  text "High Ref 1" at 42.003,-1.93 h1
  text "Latch Toggle" at 56.679,-23.713 h1
  text "BSPD" at 52.354,-25.296 h1
  text "24/02/2024 - L.D" at 6.985,-35.052 h1.02 r90
  text "SPECIAL" at 67.671,-37.871 h1.52 r90
  text "Brake Module B2 Sample" at 5.996,-37.977 h1.02 r90
  text "Formula SAE" at 5.107,-39.151 h1.78 r90
  text "Team Swinburne" at 3.71,-50.327 h3.05 r90
  text "UNIVERSAL" at 67.821,-81.796 h1.52 r90
  text "CAN TERM." at 44.004,-82.846 h1
Bottom Overlay:
  lines w0.254: 0,-26.543 26.289,-26.543 34.671,-34.925 34.671,-57.912 24.892,-67.691 24.892,-86.106 ; 0,-19.558 27.432,-19.558 41.402,-33.528 41.402,-56.769 28.321,-69.85 28.321,-78.994 30.607,-81.28 30.607,-86.106
Mechanical 1:
  lines w0.254: 81.425,-86.233 74.041,-86.233 -0.127,-86.233 -0.127,0.127 72.771,0.127 73.914,0.127 81.425,0.127 ; 81.425,-86.2 81.425,-79.6 81.425,0.125

## Text inside footprints (layer, text, board x,y; h text height)
C6: Top Overlay "+" at 63.898,-53.372 h1.52 r180